# KiCad board oibus-mini-CCC_PANEL.kicad_pcb (continued)
## Routing (per net, layer and track width the routed paths; a pad name or vN(x,y) marks a point on that pad's centre or on a via; arc(x,y) is an arc through that point) (continued)
/BAT_MEAS: length 1887.7
  Top w0.2: R6#2.2 60,4.72 C12#2.2 R7#2.1 61.19,0.61 68.7,0.61 70.3,2.21 70.3,7.71 72.2,9.61 72.2,18.2 71.19,19.21 70.7,19.21 70.22,19.68 70.22,22.1 69.7,22.63 69.7,29.72 67.5,31.92 67.5,32.02 65.6,33.92 65.6,34.7 63.89,36.41 U8#2.17 ; R6#3.2 97,4.72 C12#3.2 R7#3.1 98.19,0.61 105.7,0.61 107.3,2.21 107.3,7.71 109.2,9.61 109.2,18.2 108.19,19.21 107.7,19.21 107.22,19.68 107.22,22.1 106.7,22.63 106.7,29.72 104.5,31.92 104.5,32.02 102.6,33.92 102.6,34.7 100.89,36.41 U8#4.17 ; R6#4.2 134,4.72 C12#4.2 R7#4.1 135.19,0.61 142.7,0.61 144.3,2.21 144.3,7.71 146.2,9.61 146.2,18.2 145.19,19.21 144.7,19.21 144.22,19.68 144.22,22.1 143.7,22.63 143.7,29.72 141.5,31.92 141.5,32.02 139.6,33.92 139.6,34.7 137.89,36.41 U8#3.17 ; R6#6.2 171,4.72 C12#6.2 R7#5.1 172.19,0.61 179.7,0.61 181.3,2.21 181.3,7.71 183.2,9.61 183.2,18.2 182.19,19.21 181.7,19.21 181.22,19.68 181.22,22.1 180.7,22.63 180.7,29.72 178.5,31.92 178.5,32.02 176.6,33.92 176.6,34.7 174.89,36.41 U8#6.17 ; R6#5.2 208,4.72 C12#5.2 R7#6.1 209.19,0.61 216.7,0.61 218.3,2.21 218.3,7.71 220.2,9.61 220.2,18.2 219.19,19.21 218.7,19.21 218.22,19.68 218.22,22.1 217.7,22.63 217.7,29.72 215.5,31.92 215.5,32.02 213.6,33.92 213.6,34.7 211.89,36.41 U8#5.17 ; R6#8.2 245,4.72 C12#7.2 R7#8.1 246.19,0.61 253.7,0.61 255.3,2.21 255.3,7.71 257.2,9.61 257.2,18.2 256.19,19.21 255.7,19.21 255.22,19.68 255.22,22.1 254.7,22.63 254.7,29.72 252.5,31.92 252.5,32.02 250.6,33.92 250.6,34.7 248.89,36.41 U8#7.17 ; R6#7.2 282,4.72 C12#8.2 R7#7.1 283.19,0.61 290.7,0.61 292.3,2.21 292.3,7.71 294.2,9.61 294.2,18.2 293.19,19.21 292.7,19.21 292.22,19.68 292.22,22.1 291.7,22.63 291.7,29.72 289.5,31.92 289.5,32.02 287.6,33.92 287.6,34.7 285.89,36.41 U8#8.17 ; R6#9.2 23,70.72 C12#9.2 R7#9.1 24.19,66.61 31.7,66.61 33.3,68.21 33.3,73.71 35.2,75.61 35.2,84.2 34.19,85.21 33.7,85.21 33.22,85.68 33.22,88.1 32.7,88.63 32.7,95.72 30.5,97.92 30.5,98.02 28.6,99.92 28.6,100.7 26.89,102.41 U8#11.17 ; R6#11.2 97,70.72 C12#12.2 R7#11.1 98.19,66.61 105.7,66.61 107.3,68.21 107.3,73.71 109.2,75.61 109.2,84.2 108.19,85.21 107.7,85.21 107.22,85.68 107.22,88.1 106.7,88.63 106.7,95.72 104.5,97.92 104.5,98.02 102.6,99.92 102.6,100.7 100.89,102.41 U8#13.17 ; R6#12.2 60,70.72 C12#13.2 R7#13.1 61.19,66.61 68.7,66.61 70.3,68.21 70.3,73.71 72.2,75.61 72.2,84.2 71.19,85.21 70.7,85.21 70.22,85.68 70.22,88.1 69.7,88.63 69.7,95.72 67.5,97.92 67.5,98.02 65.6,99.92 65.6,100.7 63.89,102.41 U8#9.17 ; R6#10.2 134,70.72 C12#11.2 R7#12.1 135.19,66.61 142.7,66.61 144.3,68.21 144.3,73.71 146.2,75.61 146.2,84.2 145.19,85.21 144.7,85.21 144.22,85.68 144.22,88.1 143.7,88.63 143.7,95.72 141.5,97.92 141.5,98.02 139.6,99.92 139.6,100.7 137.89,102.41 U8#10.17 ; R6#14.2 171,70.72 C12#10.2 R7#14.1 172.19,66.61 179.7,66.61 181.3,68.21 181.3,73.71 183.2,75.61 183.2,84.2 182.19,85.21 181.7,85.21 181.22,85.68 181.22,88.1 180.7,88.63 180.7,95.72 178.5,97.92 178.5,98.02 176.6,99.92 176.6,100.7 174.89,102.41 U8#12.17 ; R6#13.2 208,70.72 C12#14.2 R7#10.1 209.19,66.61 216.7,66.61 218.3,68.21 218.3,73.71 220.2,75.61 220.2,84.2 219.19,85.21 218.7,85.21 218.22,85.68 218.22,88.1 217.7,88.63 217.7,95.72 215.5,97.92 215.5,98.02 213.6,99.92 213.6,100.7 211.89,102.41 U8#14.17 ; R6#15.2 282,70.72 C12#16.2 R7#15.1 283.19,66.61 290.7,66.61 292.3,68.21 292.3,73.71 294.2,75.61 294.2,84.2 293.19,85.21 292.7,85.21 292.22,85.68 292.22,88.1 291.7,88.63 291.7,95.72 289.5,97.92 289.5,98.02 287.6,99.92 287.6,100.7 285.89,102.41 U8#16.17 ; R6#16.2 245,70.72 C12#15.2 R7#16.1 246.19,66.61 253.7,66.61 255.3,68.21 255.3,73.71 257.2,75.61 257.2,84.2 256.19,85.21 255.7,85.21 255.22,85.68 255.22,88.1 254.7,88.63 254.7,95.72 252.5,97.92 252.5,98.02 250.6,99.92 250.6,100.7 248.89,102.41 U8#15.17 ; R6#23.2 23,202.72 C12#23.2 R7#24.1 24.19,198.61 31.7,198.61 33.3,200.21 33.3,205.71 35.2,207.61 35.2,216.2 34.19,217.21 33.7,217.21 33.22,217.68 33.22,220.1 32.7,220.63 32.7,227.72 30.5,229.92 30.5,230.02 28.6,231.92 28.6,232.7 26.89,234.41 U8#25.17 ; R6#27.2 97,202.72 C12#28.2 R7#27.1 98.19,198.61 105.7,198.61 107.3,200.21 107.3,205.71 109.2,207.61 109.2,216.2 108.19,217.21 107.7,217.21 107.22,217.68 107.22,220.1 106.7,220.63 106.7,227.72 104.5,229.92 104.5,230.02 102.6,231.92 102.6,232.7 100.89,234.41 U8#29.17 ; R6#28.2 60,202.72 C12#29.2 R7#29.1 61.19,198.61 68.7,198.61 70.3,200.21 70.3,205.71 72.2,207.61 72.2,216.2 71.19,217.21 70.7,217.21 70.22,217.68 70.22,220.1 69.7,220.63 69.7,227.72 67.5,229.92 67.5,230.02 65.6,231.92 65.6,232.7 63.89,234.41 U8#21.17 ; R6#26.2 134,202.72 C12#27.2 R7#28.1 135.19,198.61 142.7,198.61 144.3,200.21 144.3,205.71 146.2,207.61 146.2,216.2 145.19,217.21 144.7,217.21 144.22,217.68 144.22,220.1 143.7,220.63 143.7,227.72 141.5,229.92 141.5,230.02 139.6,231.92 139.6,232.7 137.89,234.41 U8#24.17 ; R6#30.2 171,202.72 C12#26.2 R7#30.1 172.19,198.61 179.7,198.61 181.3,200.21 181.3,205.71 183.2,207.61 183.2,216.2 182.19,217.21 181.7,217.21 181.22,217.68 181.22,220.1 180.7,220.63 180.7,227.72 178.5,229.92 178.5,230.02 176.6,231.92 176.6,232.7 174.89,234.41 U8#28.17 ; R6#17.2 23,136.72 C12#17.2 R7#17.1 24.19,132.61 31.7,132.61 33.3,134.21 33.3,139.71 35.2,141.61 35.2,150.2 34.19,151.21 33.7,151.21 33.22,151.68 33.22,154.1 32.7,154.63 32.7,161.72 30.5,163.92 30.5,164.02 28.6,165.92 28.6,166.7 26.89,168.41 U8#19.17 ; R6#19.2 97,136.72 C12#20.2 R7#19.1 98.19,132.61 105.7,132.61 107.3,134.21 107.3,139.71 109.2,141.61 109.2,150.2 108.19,151.21 107.7,151.21 107.22,151.68 107.22,154.1 106.7,154.63 106.7,161.72 104.5,163.92 104.5,164.02 102.6,165.92 102.6,166.7 100.89,168.41 U8#22.17 ; R6#20.2 60,136.72 C12#21.2 R7#21.1 61.19,132.61 68.7,132.61 70.3,134.21 70.3,139.71 72.2,141.61 72.2,150.2 71.19,151.21 70.7,151.21 70.22,151.68 70.22,154.1 69.7,154.63 69.7,161.72 67.5,163.92 67.5,164.02 65.6,165.92 65.6,166.7 63.89,168.41 U8#17.17 ; R6#18.2 134,136.72 C12#19.2 R7#20.1 135.19,132.61 142.7,132.61 144.3,134.21 144.3,139.71 146.2,141.61 146.2,150.2 145.19,151.21 144.7,151.21 144.22,151.68 144.22,154.1 143.7,154.63 143.7,161.72 141.5,163.92 141.5,164.02 139.6,165.92 139.6,166.7 137.89,168.41 U8#18.17 ; R6#22.2 171,136.72 C12#18.2 R7#22.1 172.19,132.61 179.7,132.61 181.3,134.21 181.3,139.71 183.2,141.61 183.2,150.2 182.19,151.21 181.7,151.21 181.22,151.68 181.22,154.1 180.7,154.63 180.7,161.72 178.5,163.92 178.5,164.02 176.6,165.92 176.6,166.7 174.89,168.41 U8#20.17 ; R6#21.2 208,136.72 C12#22.2 R7#18.1 209.19,132.61 216.7,132.61 218.3,134.21 218.3,139.71 220.2,141.61 220.2,150.2 219.19,151.21 218.7,151.21 218.22,151.68 218.22,154.1 217.7,154.63 217.7,161.72 215.5,163.92 215.5,164.02 213.6,165.92 213.6,166.7 211.89,168.41 U8#23.17 ; R6#24.2 282,136.72 C12#25.2 R7#23.1 283.19,132.61 290.7,132.61 292.3,134.21 292.3,139.71 294.2,141.61 294.2,150.2 293.19,151.21 292.7,151.21 292.22,151.68 292.22,154.1 291.7,154.63 291.7,161.72 289.5,163.92 289.5,164.02 287.6,165.92 287.6,166.7 285.89,168.41 U8#27.17 ; R6#25.2 245,136.72 C12#24.2 R7#25.1 246.19,132.61 253.7,132.61 255.3,134.21 255.3,139.71 257.2,141.61 257.2,150.2 256.19,151.21 255.7,151.21 255.22,151.68 255.22,154.1 254.7,154.63 254.7,161.72 252.5,163.92 252.5,164.02 250.6,165.92 250.6,166.7 248.89,168.41 U8#26.17 ; R6#29.2 208,202.72 C12#30.2 R7#26.1 209.19,198.61 216.7,198.61 218.3,200.21 218.3,205.71 220.2,207.61 220.2,216.2 219.19,217.21 218.7,217.21 218.22,217.68 218.22,220.1 217.7,220.63 217.7,227.72 215.5,229.92 215.5,230.02 213.6,231.92 213.6,232.7 211.89,234.41 U8#30.17 ; R6#32.2 245,202.72 C12#31.2 R7#32.1 246.19,198.61 253.7,198.61 255.3,200.21 255.3,205.71 257.2,207.61 257.2,216.2 256.19,217.21 255.7,217.21 255.22,217.68 255.22,220.1 254.7,220.63 254.7,227.72 252.5,229.92 252.5,230.02 250.6,231.92 250.6,232.7 248.89,234.41 U8#31.17 ; R6#31.2 282,202.72 C12#32.2 R7#31.1 283.19,198.61 290.7,198.61 292.3,200.21 292.3,205.71 294.2,207.61 294.2,216.2 293.19,217.21 292.7,217.21 292.22,217.68 292.22,220.1 291.7,220.63 291.7,227.72 289.5,229.92 289.5,230.02 287.6,231.92 287.6,232.7 285.89,234.41 U8#32.17 ; R6.2 23,4.72 C12.2 R7.1 24.19,0.61 31.7,0.61 33.3,2.21 33.3,7.71 35.2,9.61 35.2,18.2 34.19,19.21 33.7,19.21 33.22,19.68 33.22,22.1 32.7,22.63 32.7,29.72 30.5,31.92 30.5,32.02 28.6,33.92 28.6,34.7 26.89,36.41 U8.17
/BLUE: length 370.8
  Top w0.2: v2(64.15,44.26) 64.39,44.02 U8#2.16 ; R15#2.1 69.9,46.52 v2(69.9,46.41) ; v2(101.15,44.26) 101.39,44.02 U8#4.16 ; R15#3.1 106.9,46.52 v2(106.9,46.41) ; v2(138.15,44.26) 138.39,44.02 U8#3.16 ; R15#4.1 143.9,46.52 v2(143.9,46.41) ; v2(212.15,44.26) 212.39,44.02 U8#5.16 ; R15#6.1 217.9,46.52 v2(217.9,46.41) ; v2(175.15,44.26) 175.39,44.02 U8#6.16 ; R15#5.1 180.9,46.52 v2(180.9,46.41) ; v2(286.15,44.26) 286.39,44.02 U8#8.16 ; R15#7.1 291.9,46.52 v2(291.9,46.41) ; v2(249.15,44.26) 249.39,44.02 U8#7.16 ; R15#8.1 254.9,46.52 v2(254.9,46.41) ; v2(27.15,110.26) 27.39,110.02 U8#11.16 ; R15#9.1 32.9,112.52 v2(32.9,112.41) ; v2(138.15,110.26) 138.39,110.02 U8#10.16 ; R15#12.1 143.9,112.52 v2(143.9,112.41) ; v2(64.15,110.26) 64.39,110.02 U8#9.16 ; R15#13.1 69.9,112.52 v2(69.9,112.41) ; v2(101.15,110.26) 101.39,110.02 U8#13.16 ; R15#11.1 106.9,112.52 v2(106.9,112.41) ; v2(212.15,110.26) 212.39,110.02 U8#14.16 ; R15#10.1 217.9,112.52 v2(217.9,112.41) ; v2(175.15,110.26) 175.39,110.02 U8#12.16 ; R15#14.1 180.9,112.52 v2(180.9,112.41) ; v2(286.15,110.26) 286.39,110.02 U8#16.16 ; R15#15.1 291.9,112.52 v2(291.9,112.41) ; v2(249.15,110.26) 249.39,110.02 U8#15.16 ; R15#16.1 254.9,112.52 v2(254.9,112.41) ; v2(27.15,242.26) 27.39,242.02 U8#25.16 ; R15#24.1 32.9,244.52 v2(32.9,244.41) ; v2(64.15,242.26) 64.39,242.02 U8#21.16 ; R15#29.1 69.9,244.52 v2(69.9,244.41) ; v2(138.15,242.26) 138.39,242.02 U8#24.16 ; R15#28.1 143.9,244.52 v2(143.9,244.41) ; v2(101.15,242.26) 101.39,242.02 U8#29.16 ; R15#27.1 106.9,244.52 v2(106.9,244.41) ; v2(212.15,242.26) 212.39,242.02 U8#30.16 ; R15#26.1 217.9,244.52 v2(217.9,244.41) ; v2(27.15,176.26) 27.39,176.02 U8#19.16 ; R15#17.1 32.9,178.52 v2(32.9,178.41) ; v2(138.15,176.26) 138.39,176.02 U8#18.16 ; R15#20.1 143.9,178.52 v2(143.9,178.41) ; v2(64.15,176.26) 64.39,176.02 U8#17.16 ; R15#21.1 69.9,178.52 v2(69.9,178.41) ; v2(101.15,176.26) 101.39,176.02 U8#22.16 ; R15#19.1 106.9,178.52 v2(106.9,178.41) ; v2(212.15,176.26) 212.39,176.02 U8#23.16 ; R15#18.1 217.9,178.52 v2(217.9,178.41) ; v2(175.15,176.26) 175.39,176.02 U8#20.16 ; R15#22.1 180.9,178.52 v2(180.9,178.41) ; v2(286.15,176.26) 286.39,176.02 U8#27.16 ; R15#23.1 291.9,178.52 v2(291.9,178.41) ; v2(249.15,176.26) 249.39,176.02 U8#26.16 ; R15#25.1 254.9,178.52 v2(254.9,178.41) ; v2(175.15,242.26) 175.39,242.02 U8#28.16 ; R15#30.1 180.9,244.52 v2(180.9,244.41) ; v2(286.15,242.26) 286.39,242.02 U8#32.16 ; R15#31.1 291.9,244.52 v2(291.9,244.41) ; v2(249.15,242.26) 249.39,242.02 U8#31.16 ; R15#32.1 254.9,244.52 v2(254.9,244.41) ; U8.16 27.39,44.02 v2(27.15,44.26) ; v2(32.9,46.41) 32.9,46.52 R15.1
  Bottom w0.2: v2(69.9,46.41) 68.8,45.31 64.9,45.31 64.15,44.56 v2(64.15,44.26) ; v2(106.9,46.41) 105.8,45.31 101.9,45.31 101.15,44.56 v2(101.15,44.26) ; v2(143.9,46.41) 142.8,45.31 138.9,45.31 138.15,44.56 v2(138.15,44.26) ; v2(217.9,46.41) 216.8,45.31 212.9,45.31 212.15,44.56 v2(212.15,44.26) ; v2(180.9,46.41) 179.8,45.31 175.9,45.31 175.15,44.56 v2(175.15,44.26) ; v2(291.9,46.41) 290.8,45.31 286.9,45.31 286.15,44.56 v2(286.15,44.26) ; v2(254.9,46.41) 253.8,45.31 249.9,45.31 249.15,44.56 v2(249.15,44.26) ; v2(32.9,112.41) 31.8,111.31 27.9,111.31 27.15,110.56 v2(27.15,110.26) ; v2(143.9,112.41) 142.8,111.31 138.9,111.31 138.15,110.56 v2(138.15,110.26) ; v2(69.9,112.41) 68.8,111.31 64.9,111.31 64.15,110.56 v2(64.15,110.26) ; v2(106.9,112.41) 105.8,111.31 101.9,111.31 101.15,110.56 v2(101.15,110.26) ; v2(217.9,112.41) 216.8,111.31 212.9,111.31 212.15,110.56 v2(212.15,110.26) ; v2(180.9,112.41) 179.8,111.31 175.9,111.31 175.15,110.56 v2(175.15,110.26) ; v2(291.9,112.41) 290.8,111.31 286.9,111.31 286.15,110.56 v2(286.15,110.26) ; v2(254.9,112.41) 253.8,111.31 249.9,111.31 249.15,110.56 v2(249.15,110.26) ; v2(32.9,244.41) 31.8,243.31 27.9,243.31 27.15,242.56 v2(27.15,242.26) ; v2(69.9,244.41) 68.8,243.31 64.9,243.31 64.15,242.56 v2(64.15,242.26) ; v2(143.9,244.41) 142.8,243.31 138.9,243.31 138.15,242.56 v2(138.15,242.26) ; v2(106.9,244.41) 105.8,243.31 101.9,243.31 101.15,242.56 v2(101.15,242.26) ; v2(212.15,242.26) 212.15,242.56 212.9,243.31 216.8,243.31 v2(217.9,244.41) ; v2(32.9,178.41) 31.8,177.31 27.9,177.31 27.15,176.56 v2(27.15,176.26) ; v2(143.9,178.41) 142.8,177.31 138.9,177.31 138.15,176.56 v2(138.15,176.26) ; v2(69.9,178.41) 68.8,177.31 64.9,177.31 64.15,176.56 v2(64.15,176.26) ; v2(106.9,178.41) 105.8,177.31 101.9,177.31 101.15,176.56 v2(101.15,176.26) ; v2(217.9,178.41) 216.8,177.31 212.9,177.31 212.15,176.56 v2(212.15,176.26) ; v2(180.9,178.41) 179.8,177.31 175.9,177.31 175.15,176.56 v2(175.15,176.26) ; v2(291.9,178.41) 290.8,177.31 286.9,177.31 286.15,176.56 v2(286.15,176.26) ; v2(254.9,178.41) 253.8,177.31 249.9,177.31 249.15,176.56 v2(249.15,176.26) ; v2(180.9,244.41) 179.8,243.31 175.9,243.31 175.15,242.56 v2(175.15,242.26) ; v2(291.9,244.41) 290.8,243.31 286.9,243.31 286.15,242.56 v2(286.15,242.26) ; v2(254.9,244.41) 253.8,243.31 249.9,243.31 249.15,242.56 v2(249.15,242.26) ; v2(32.9,46.41) 31.8,45.31 27.9,45.31 27.15,44.56 v2(27.15,44.26)
/BOOT: length 943.3
  Top w0.15: SW1#2.1 46.8,22.51 46.2,23.11 46.2,25.33 50.14,29.23 50.08,29.21 ; SW1#3.1 83.8,22.51 83.2,23.11 83.2,25.33 87.14,29.23 87.08,29.21 ; SW1#4.1 120.8,22.51 120.2,23.11 120.2,25.33 124.14,29.23 124.08,29.21 ; 161.08,29.21 161.14,29.23 157.2,25.33 157.2,23.11 157.8,22.51 SW1#5.1 ; SW1#6.1 194.8,22.51 194.2,23.11 194.2,25.33 198.14,29.23 198.08,29.21 ; 235.08,29.21 235.14,29.23 231.2,25.33 231.2,23.11 231.8,22.51 SW1#8.1 ; SW1#7.1 268.8,22.51 268.2,23.11 268.2,25.33 272.14,29.23 272.08,29.21 ; SW1#9.1 9.8,88.51 9.2,89.11 9.2,91.33 13.14,95.23 13.08,95.21 ; SW1#13.1 46.8,88.51 46.2,89.11 46.2,91.33 50.14,95.23 50.08,95.21 ; 87.08,95.21 87.14,95.23 83.2,91.33 83.2,89.11 83.8,88.51 SW1#11.1 ; SW1#12.1 120.8,88.51 120.2,89.11 120.2,91.33 124.14,95.23 124.08,95.21 ; 161.08,95.21 161.14,95.23 157.2,91.33 157.2,89.11 157.8,88.51 SW1#14.1 ; SW1#10.1 194.8,88.51 194.2,89.11 194.2,91.33 198.14,95.23 198.08,95.21 ; SW1#15.1 268.8,88.51 268.2,89.11 268.2,91.33 272.14,95.23 272.08,95.21 ; 235.08,95.21 235.14,95.23 231.2,91.33 231.2,89.11 231.8,88.51 SW1#16.1 ; SW1#23.1 9.8,220.51 9.2,221.11 9.2,223.33 13.14,227.23 13.08,227.21 ; SW1#29.1 46.8,220.51 46.2,221.11 46.2,223.33 50.14,227.23 50.08,227.21 ; SW1#27.1 83.8,220.51 83.2,221.11 83.2,223.33 87.14,227.23 87.08,227.21 ; SW1#28.1 120.8,220.51 120.2,221.11 120.2,223.33 124.14,227.23 124.08,227.21 ; SW1#17.1 9.8,154.51 9.2,155.11 9.2,157.33 13.14,161.23 13.08,161.21 ; SW1#21.1 46.8,154.51 46.2,155.11 46.2,157.33 50.14,161.23 50.08,161.21 ; 87.08,161.21 87.14,161.23 83.2,157.33 83.2,155.11 83.8,154.51 SW1#19.1 ; SW1#20.1 120.8,154.51 120.2,155.11 120.2,157.33 124.14,161.23 124.08,161.21 ; 161.08,161.21 161.14,161.23 157.2,157.33 157.2,155.11 157.8,154.51 SW1#22.1 ; SW1#18.1 194.8,154.51 194.2,155.11 194.2,157.33 198.14,161.23 198.08,161.21 ; SW1#24.1 268.8,154.51 268.2,155.11 268.2,157.33 272.14,161.23 272.08,161.21 ; 235.08,161.21 235.14,161.23 231.2,157.33 231.2,155.11 231.8,154.51 SW1#25.1 ; SW1#26.1 194.8,220.51 194.2,221.11 194.2,223.33 198.14,227.23 198.08,227.21 ; 161.08,227.21 161.14,227.23 157.2,223.33 157.2,221.11 157.8,220.51 SW1#30.1 ; 235.08,227.21 235.14,227.23 231.2,223.33 231.2,221.11 231.8,220.51 SW1#32.1 ; SW1#31.1 268.8,220.51 268.2,221.11 268.2,223.33 272.14,227.23 272.08,227.21 ; SW1.1 9.8,22.51 9.2,23.11 9.2,25.33 13.14,29.23 13.08,29.21
  Top w0.2: 50.14,29.23 52.82,31.91 54.8,31.91 55.19,31.52 R18#2.1 57.17,30.41 59.58,32.82 59.6,32.82 60.09,33.31 ; 60.09,33.31 60.59,33.81 ; 60.09,33.31 60.59,33.81 ; 60.59,33.81 61.66,33.81 v2(62.59,34.73) ; v2(63.23,33.6) 63.48,33.6 63.89,33.18 U8#2.44 ; 87.14,29.23 89.82,31.91 91.8,31.91 92.19,31.52 R18#3.1 94.17,30.41 96.58,32.82 96.6,32.82 97.09,33.31 ; 97.09,33.31 97.59,33.81 ; 97.09,33.31 97.59,33.81 ; 97.59,33.81 98.66,33.81 v2(99.59,34.73) ; v2(100.23,33.6) 100.48,33.6 100.89,33.18 U8#4.44 ; 124.14,29.23 126.82,31.91 128.8,31.91 129.19,31.52 R18#4.1 131.17,30.41 133.58,32.82 133.6,32.82 134.09,33.31 ; 134.09,33.31 134.59,33.81 ; 134.09,33.31 134.59,33.81 ; 134.59,33.81 135.66,33.81 v2(136.59,34.73) ; v2(137.23,33.6) 137.48,33.6 137.89,33.18 U8#3.44 ; U8#6.44 174.89,33.18 174.48,33.6 v2(174.23,33.6) ; 171.09,33.31 171.59,33.81 ; 171.09,33.31 171.59,33.81 ; 171.09,33.31 170.6,32.82 170.58,32.82 168.17,30.41 R18#5.1 166.19,31.52 165.8,31.91 163.82,31.91 161.14,29.23 ; 171.59,33.81 172.66,33.81 v2(173.59,34.73) ; 198.14,29.23 200.82,31.91 202.8,31.91 203.19,31.52 R18#6.1 205.17,30.41 207.58,32.82 207.6,32.82 208.09,33.31 ; 208.09,33.31 208.59,33.81 ; 208.09,33.31 208.59,33.81 ; 208.59,33.81 209.66,33.81 v2(210.59,34.73) ; v2(211.23,33.6) 211.48,33.6 211.89,33.18 U8#5.44 ; U8#7.44 248.89,33.18 248.48,33.6 v2(248.23,33.6) ; 245.09,33.31 245.59,33.81 ; 245.09,33.31 245.59,33.81 ; 245.09,33.31 244.6,32.82 244.58,32.82 242.17,30.41 R18#8.1 240.19,31.52 239.8,31.91 237.82,31.91 235.14,29.23 ; 245.59,33.81 246.66,33.81 v2(247.59,34.73) ; 272.14,29.23 274.82,31.91 276.8,31.91 277.19,31.52 R18#7.1 279.17,30.41 281.58,32.82 281.6,32.82 282.09,33.31 ; 282.09,33.31 282.59,33.81 ; 282.09,33.31 282.59,33.81 ; 282.59,33.81 283.66,33.81 v2(284.59,34.73) ; v2(285.23,33.6) 285.48,33.6 285.89,33.18 U8#8.44 ; 13.14,95.23 15.82,97.91 17.8,97.91 18.19,97.52 R18#9.1 20.17,96.41 22.58,98.82 22.6,98.82 23.09,99.31 ; 23.09,99.31 23.59,99.81 ; 23.09,99.31 23.59,99.81 ; 23.59,99.81 24.66,99.81 v2(25.59,100.73) ; v2(26.23,99.6) 26.48,99.6 26.89,99.18 U8#11.44 ; 50.14,95.23 52.82,97.91 54.8,97.91 55.19,97.52 R18#13.1 57.17,96.41 59.58,98.82 59.6,98.82 60.09,99.31 ; 60.09,99.31 60.59,99.81 ; 60.09,99.31 60.59,99.81 ; 60.59,99.81 61.66,99.81 v2(62.59,100.73) ; v2(63.23,99.6) 63.48,99.6 63.89,99.18 U8#9.44 ; U8#13.44 100.89,99.18 100.48,99.6 v2(100.23,99.6) ; 97.09,99.31 97.59,99.81 ; 97.09,99.31 97.59,99.81 ; 97.09,99.31 96.6,98.82 96.58,98.82 94.17,96.41 R18#11.1 92.19,97.52 91.8,97.91 89.82,97.91 87.14,95.23 ; 97.59,99.81 98.66,99.81 v2(99.59,100.73) ; 124.14,95.23 126.82,97.91 128.8,97.91 129.19,97.52 R18#12.1 131.17,96.41 133.58,98.82 133.6,98.82 134.09,99.31 ; 134.09,99.31 134.59,99.81 ; 134.09,99.31 134.59,99.81 ; 134.59,99.81 135.66,99.81 v2(136.59,100.73) ; v2(137.23,99.6) 137.48,99.6 137.89,99.18 U8#10.44 ; U8#12.44 174.89,99.18 174.48,99.6 v2(174.23,99.6) ; 171.09,99.31 171.59,99.81 ; 171.09,99.31 171.59,99.81 ; 171.09,99.31 170.6,98.82 170.58,98.82 168.17,96.41 R18#14.1 166.19,97.52 165.8,97.91 163.82,97.91 161.14,95.23 ; 171.59,99.81 172.66,99.81 v2(173.59,100.73) ; 198.14,95.23 200.82,97.91 202.8,97.91 203.19,97.52 R18#10.1 205.17,96.41 207.58,98.82 207.6,98.82 208.09,99.31 ; 208.09,99.31 208.59,99.81 ; 208.09,99.31 208.59,99.81 ; 208.59,99.81 209.66,99.81 v2(210.59,100.73) ; v2(211.23,99.6) 211.48,99.6 211.89,99.18 U8#14.44 ; 272.14,95.23 274.82,97.91 276.8,97.91 277.19,97.52 R18#15.1 279.17,96.41 281.58,98.82 281.6,98.82 282.09,99.31 ; 282.09,99.31 282.59,99.81 ; 282.09,99.31 282.59,99.81 ; 282.59,99.81 283.66,99.81 v2(284.59,100.73) ; v2(285.23,99.6) 285.48,99.6 285.89,99.18 U8#16.44 ; U8#15.44 248.89,99.18 248.48,99.6 v2(248.23,99.6) ; 245.09,99.31 245.59,99.81 ; 245.09,99.31 245.59,99.81 ; 245.09,99.31 244.6,98.82 244.58,98.82 242.17,96.41 R18#16.1 240.19,97.52 239.8,97.91 237.82,97.91 235.14,95.23 ; 245.59,99.81 246.66,99.81 v2(247.59,100.73) ; 23.09,231.31 23.59,231.81 ; 23.09,231.31 22.6,230.82 22.58,230.82 20.17,228.41 R18#24.1 18.19,229.52 17.8,229.91 15.82,229.91 13.14,227.23 ; 23.09,231.31 23.59,231.81 ; 23.59,231.81 24.66,231.81 v2(25.59,232.73) ; v2(26.23,231.6) 26.48,231.6 26.89,231.18 U8#25.44 ; 50.14,227.23 52.82,229.91 54.8,229.91 55.19,229.52 R18#29.1 57.17,228.41 59.58,230.82 59.6,230.82 60.09,231.31 ; 60.09,231.31 60.59,231.81 ; 60.09,231.31 60.59,231.81 ; 60.59,231.81 61.66,231.81 v2(62.59,232.73) ; v2(63.23,231.6) 63.48,231.6 63.89,231.18 U8#21.44 ; U8#29.44 100.89,231.18 100.48,231.6 v2(100.23,231.6) ; 97.09,231.31 97.59,231.81 ; 97.09,231.31 97.59,231.81 ; 97.09,231.31 96.6,230.82 96.58,230.82 94.17,228.41 R18#27.1 92.19,229.52 91.8,229.91 89.82,229.91 87.14,227.23 ; 97.59,231.81 98.66,231.81 v2(99.59,232.73) ; 124.14,227.23 126.82,229.91 128.8,229.91 129.19,229.52 R18#28.1 131.17,228.41 133.58,230.82 133.6,230.82 134.09,231.31 ; 134.09,231.31 134.59,231.81 ; 134.09,231.31 134.59,231.81 ; 134.59,231.81 135.66,231.81 v2(136.59,232.73) ; v2(137.23,231.6) 137.48,231.6 137.89,231.18 U8#24.44 ; 13.14,161.23 15.82,163.91 17.8,163.91 18.19,163.52 R18#17.1 20.17,162.41 22.58,164.82 22.6,164.82 23.09,165.31 ; 23.09,165.31 23.59,165.81 ; 23.09,165.31 23.59,165.81 ; 23.59,165.81 24.66,165.81 v2(25.59,166.73) ; v2(26.23,165.6) 26.48,165.6 26.89,165.18 U8#19.44 ; 50.14,161.23 52.82,163.91 54.8,163.91 55.19,163.52 R18#21.1 57.17,162.41 59.58,164.82 59.6,164.82 60.09,165.31 ; 60.09,165.31 60.59,165.81 ; 60.09,165.31 60.59,165.81 ; 60.59,165.81 61.66,165.81 v2(62.59,166.73) ; v2(63.23,165.6) 63.48,165.6 63.89,165.18 U8#17.44 ; U8#22.44 100.89,165.18 100.48,165.6 v2(100.23,165.6) ; 97.09,165.31 97.59,165.81 ; 97.09,165.31 97.59,165.81 ; 97.09,165.31 96.6,164.82 96.58,164.82 94.17,162.41 R18#19.1 92.19,163.52 91.8,163.91 89.82,163.91 87.14,161.23 ; 97.59,165.81 98.66,165.81 v2(99.59,166.73) ; 124.14,161.23 126.82,163.91 128.8,163.91 129.19,163.52 R18#20.1 131.17,162.41 133.58,164.82 133.6,164.82 134.09,165.31 ; 134.09,165.31 134.59,165.81 ; 134.09,165.31 134.59,165.81 ; 134.59,165.81 135.66,165.81 v2(136.59,166.73) ; v2(137.23,165.6) 137.48,165.6 137.89,165.18 U8#18.44 ; U8#20.44 174.89,165.18 174.48,165.6 v2(174.23,165.6) ; 171.09,165.31 171.59,165.81 ; 171.09,165.31 171.59,165.81 ; 171.09,165.31 170.6,164.82 170.58,164.82 168.17,162.41 R18#22.1 166.19,163.52 165.8,163.91 163.82,163.91 161.14,161.23 ; 171.59,165.81 172.66,165.81 v2(173.59,166.73) ; 198.14,161.23 200.82,163.91 202.8,163.91 203.19,163.52 R18#18.1 205.17,162.41 207.58,164.82 207.6,164.82 208.09,165.31 ; 208.09,165.31 208.59,165.81 ; 208.09,165.31 208.59,165.81 ; 208.59,165.81 209.66,165.81 v2(210.59,166.73) ; v2(211.23,165.6) 211.48,165.6 211.89,165.18 U8#23.44 ; 272.14,161.23 274.82,163.91 276.8,163.91 277.19,163.52 R18#23.1 279.17,162.41 281.58,164.82 281.6,164.82 282.09,165.31 ; 282.09,165.31 282.59,165.81 ; 282.09,165.31 282.59,165.81 ; 282.59,165.81 283.66,165.81 v2(284.59,166.73) ; v2(285.23,165.6) 285.48,165.6 285.89,165.18 U8#27.44 ; U8#26.44 248.89,165.18 248.48,165.6 v2(248.23,165.6) ; 245.09,165.31 245.59,165.81 ; 245.09,165.31 245.59,165.81 ; 245.09,165.31 244.6,164.82 244.58,164.82 242.17,162.41 R18#25.1 240.19,163.52 239.8,163.91 237.82,163.91 235.14,161.23 ; 245.59,165.81 246.66,165.81 v2(247.59,166.73) ; 208.09,231.31 207.6,230.82 207.58,230.82 205.17,228.41 R18#26.1 203.19,229.52 202.8,229.91 200.82,229.91 198.14,227.23 ; 208.09,231.31 208.59,231.81 ; 208.09,231.31 208.59,231.81 ; 208.59,231.81 209.66,231.81 v2(210.59,232.73) ; v2(211.23,231.6) 211.48,231.6 211.89,231.18 U8#30.44 ; U8#28.44 174.89,231.18 174.48,231.6 v2(174.23,231.6) ; 171.09,231.31 171.59,231.81 ; 171.09,231.31 171.59,231.81 ; 171.09,231.31 170.6,230.82 170.58,230.82 168.17,228.41 R18#30.1 166.19,229.52 165.8,229.91 163.82,229.91 161.14,227.23 ; 171.59,231.81 172.66,231.81 v2(173.59,232.73) ; U8#31.44 248.89,231.18 248.48,231.6 v2(248.23,231.6) ; 245.09,231.31 245.59,231.81 ; 245.09,231.31 245.59,231.81 ; 245.09,231.31 244.6,230.82 244.58,230.82 242.17,228.41 R18#32.1 240.19,229.52 239.8,229.91 237.82,229.91 235.14,227.23 ; 245.59,231.81 246.66,231.81 v2(247.59,232.73) ; 272.14,227.23 274.82,229.91 276.8,229.91 277.19,229.52 R18#31.1 279.17,228.41 281.58,230.82 281.6,230.82 282.09,231.31 ; 282.09,231.31 282.59,231.81 ; 282.09,231.31 282.59,231.81 ; 282.59,231.81 283.66,231.81 v2(284.59,232.73) ; v2(285.23,231.6) 285.48,231.6 285.89,231.18 U8#32.44 ; v2(25.59,34.73) 24.66,33.81 23.59,33.81 ; 23.59,33.81 23.09,33.31 ; 23.59,33.81 23.09,33.31 ; 23.09,33.31 22.6,32.82 22.58,32.82 20.17,30.41 R18.1 18.19,31.52 17.8,31.91 15.82,31.91 13.14,29.23 ; U8.44 26.89,33.18 26.48,33.6 v2(26.23,33.6)
  Bottom w0.2: v2(62.59,34.73) 63.23,34.09 v2(63.23,33.6) ; v2(99.59,34.73) 100.23,34.09 v2(100.23,33.6) ; v2(136.59,34.73) 137.23,34.09 v2(137.23,33.6) ; v2(174.23,33.6) 174.23,34.09 v2(173.59,34.73) ; v2(210.59,34.73) 211.23,34.09 v2(211.23,33.6) ; v2(248.23,33.6) 248.23,34.09 v2(247.59,34.73) ; v2(284.59,34.73) 285.23,34.09 v2(285.23,33.6) ; v2(25.59,100.73) 26.23,100.09 v2(26.23,99.6) ; v2(62.59,100.73) 63.23,100.09 v2(63.23,99.6) ; v2(100.23,99.6) 100.23,100.09 v2(99.59,100.73) ; v2(136.59,100.73) 137.23,100.09 v2(137.23,99.6) ; v2(174.23,99.6) 174.23,100.09 v2(173.59,100.73) ; v2(210.59,100.73) 211.23,100.09 v2(211.23,99.6) ; v2(284.59,100.73) 285.23,100.09 v2(285.23,99.6) ; v2(248.23,99.6) 248.23,100.09 v2(247.59,100.73) ; v2(25.59,232.73) 26.23,232.09 v2(26.23,231.6) ; v2(62.59,232.73) 63.23,232.09 v2(63.23,231.6) ; v2(100.23,231.6) 100.23,232.09 v2(99.59,232.73) ; v2(136.59,232.73) 137.23,232.09 v2(137.23,231.6) ; v2(25.59,166.73) 26.23,166.09 v2(26.23,165.6) ; v2(62.59,166.73) 63.23,166.09 v2(63.23,165.6) ; v2(100.23,165.6) 100.23,166.09 v2(99.59,166.73) ; v2(136.59,166.73) 137.23,166.09 v2(137.23,165.6) ; v2(174.23,165.6) 174.23,166.09 v2(173.59,166.73) ; v2(210.59,166.73) 211.23,166.09 v2(211.23,165.6) ; v2(284.59,166.73) 285.23,166.09 v2(285.23,165.6) ; v2(248.23,165.6) 248.23,166.09 v2(247.59,166.73) ; v2(210.59,232.73) 211.23,232.09 v2(211.23,231.6) ; v2(174.23,231.6) 174.23,232.09 v2(173.59,232.73) ; v2(248.23,231.6) 248.23,232.09 v2(247.59,232.73) ; v2(284.59,232.73) 285.23,232.09 v2(285.23,231.6) ; v2(26.23,33.6) 26.23,34.09 v2(25.59,34.73)
